# Altium PCB rt10.PcbDoc (part 1 of 4)
Units mil, origin at the board's own origin, x right, y up, seen from the top; angles counter-clockwise.
Board outline 1400 x 1750 mil, 8 copper layers (Top, L2, L3, L4, L5, L6, L7, Bottom), stack 46.516 mil thick; 250 components, 225 nets, 1025 pads, 574 vias.
Unrouted connection lines stored in the file: 9.
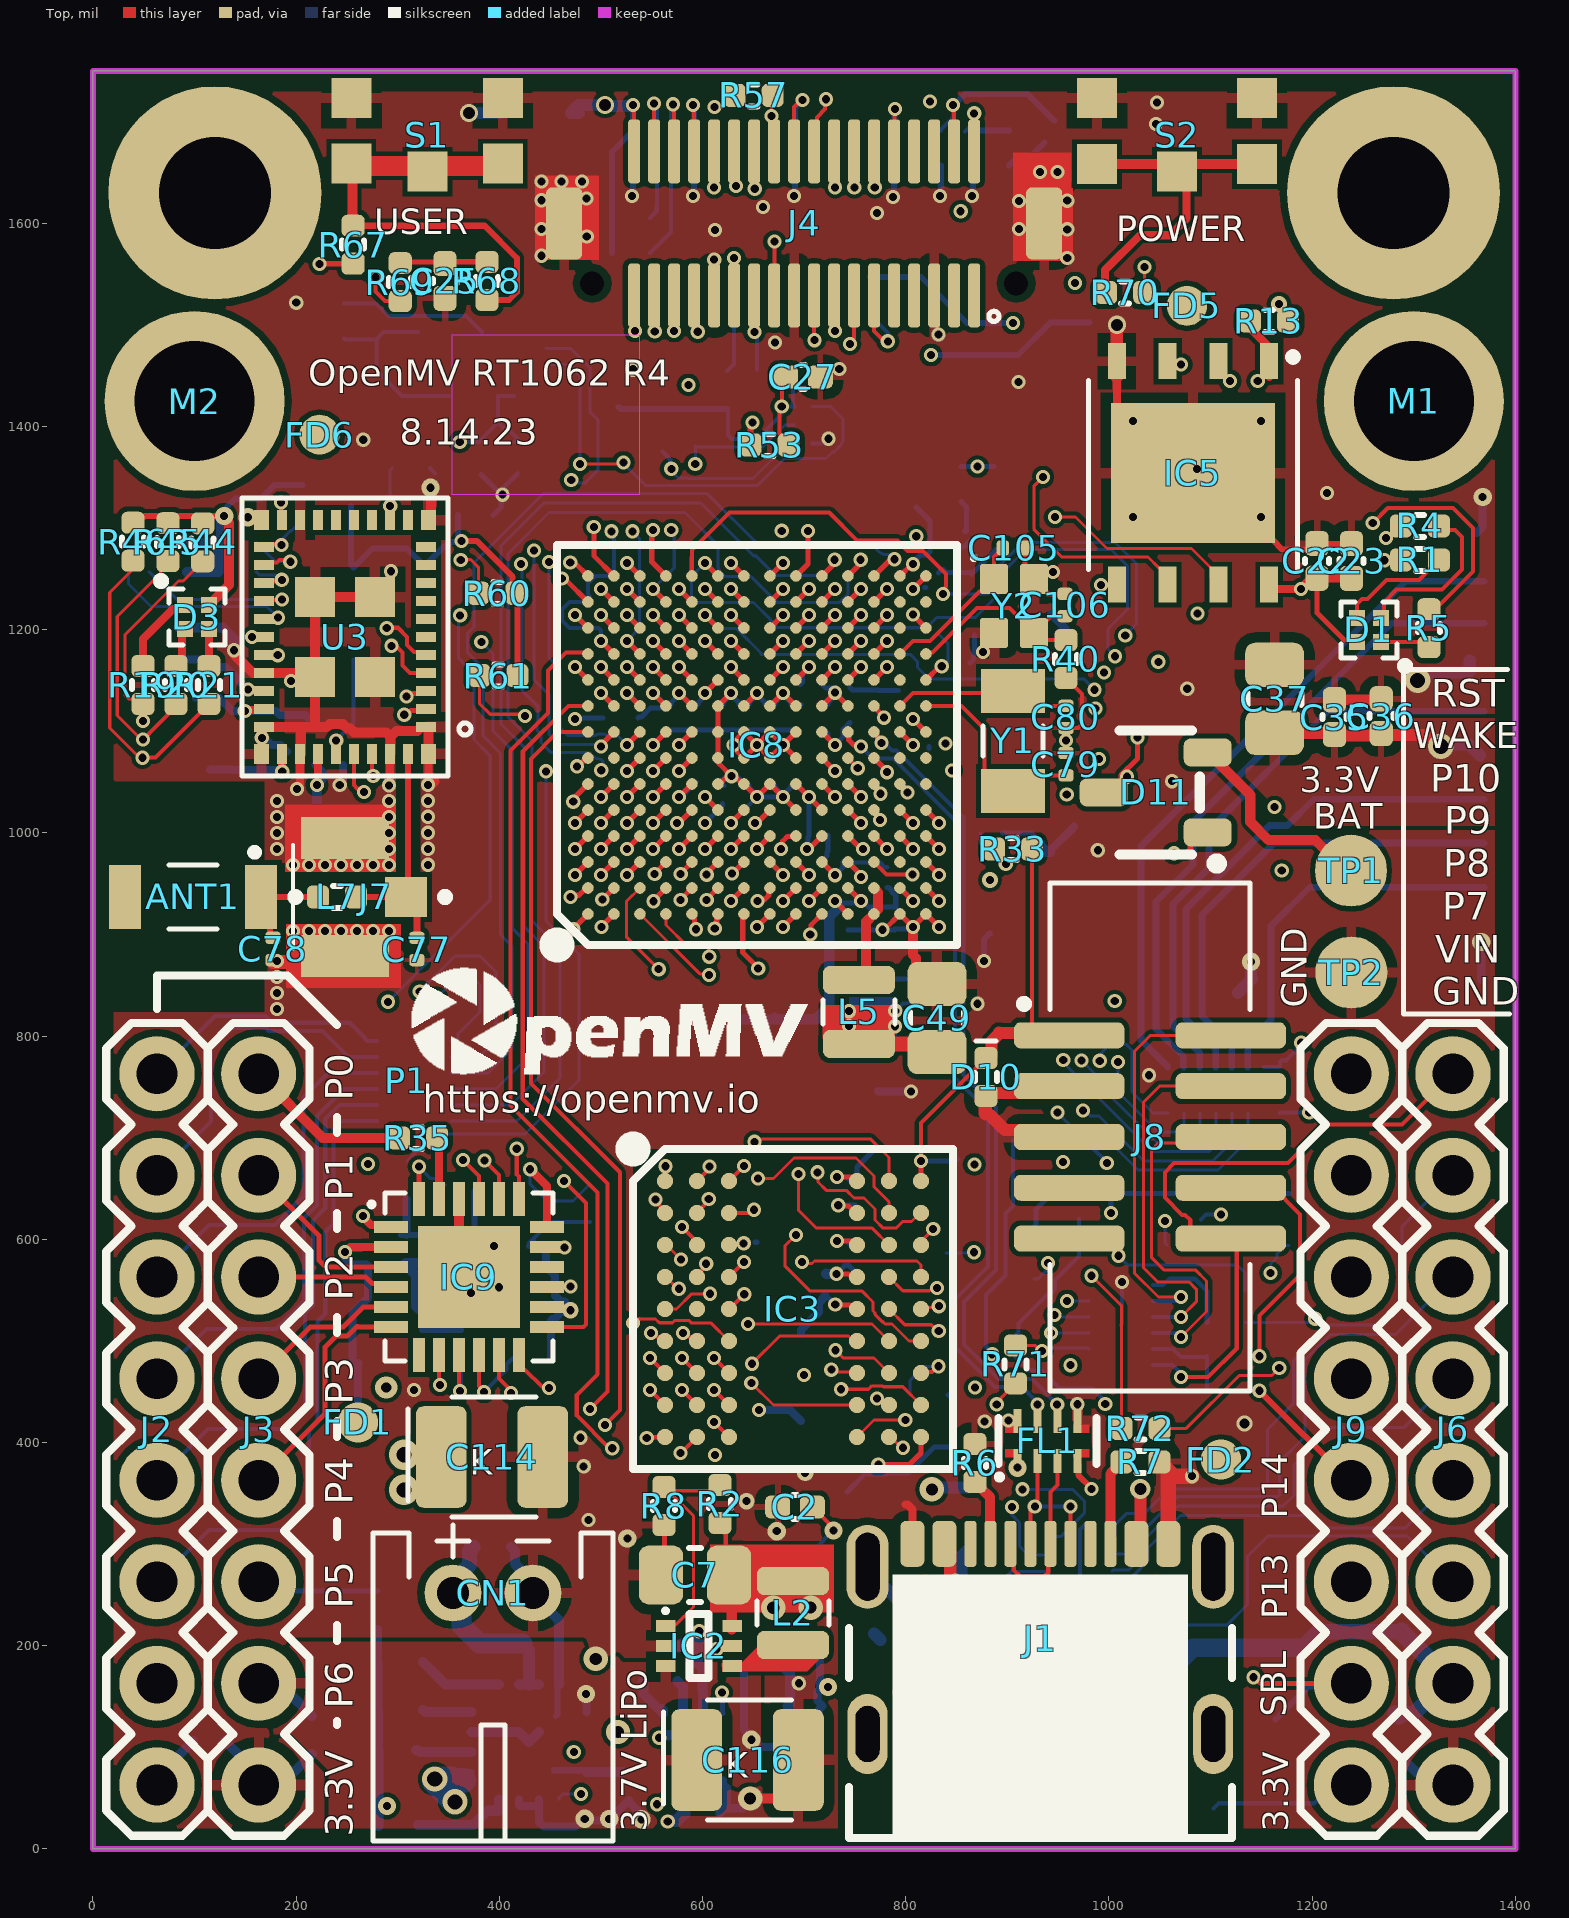
[diagram p0: Top view]
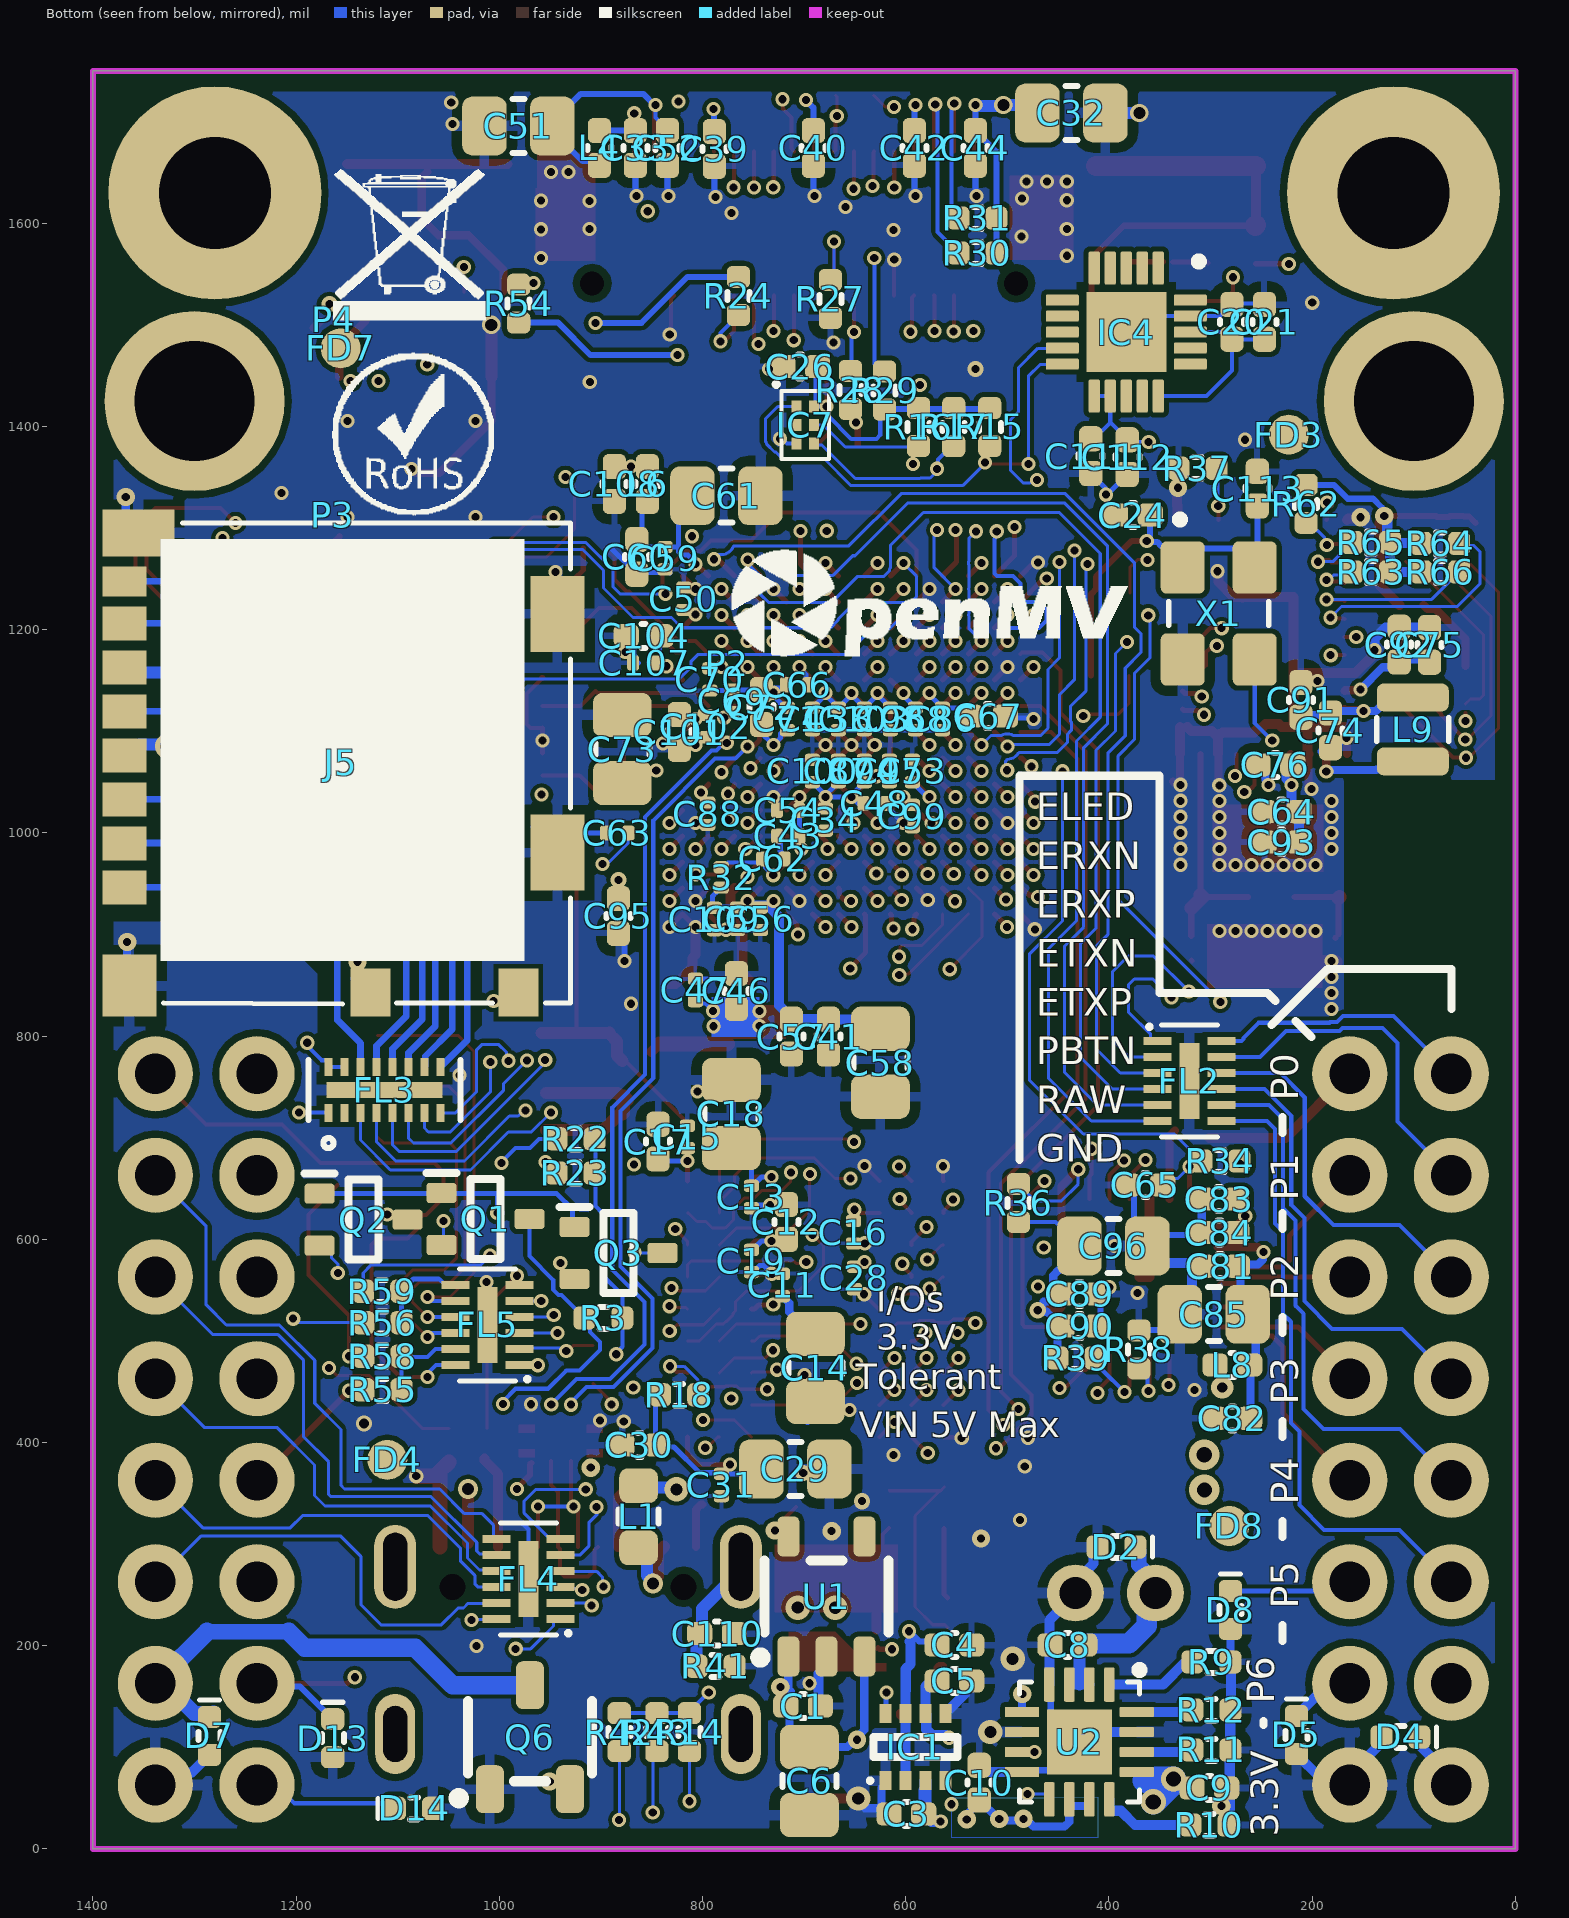
[diagram p1: Bottom view, seen from below]
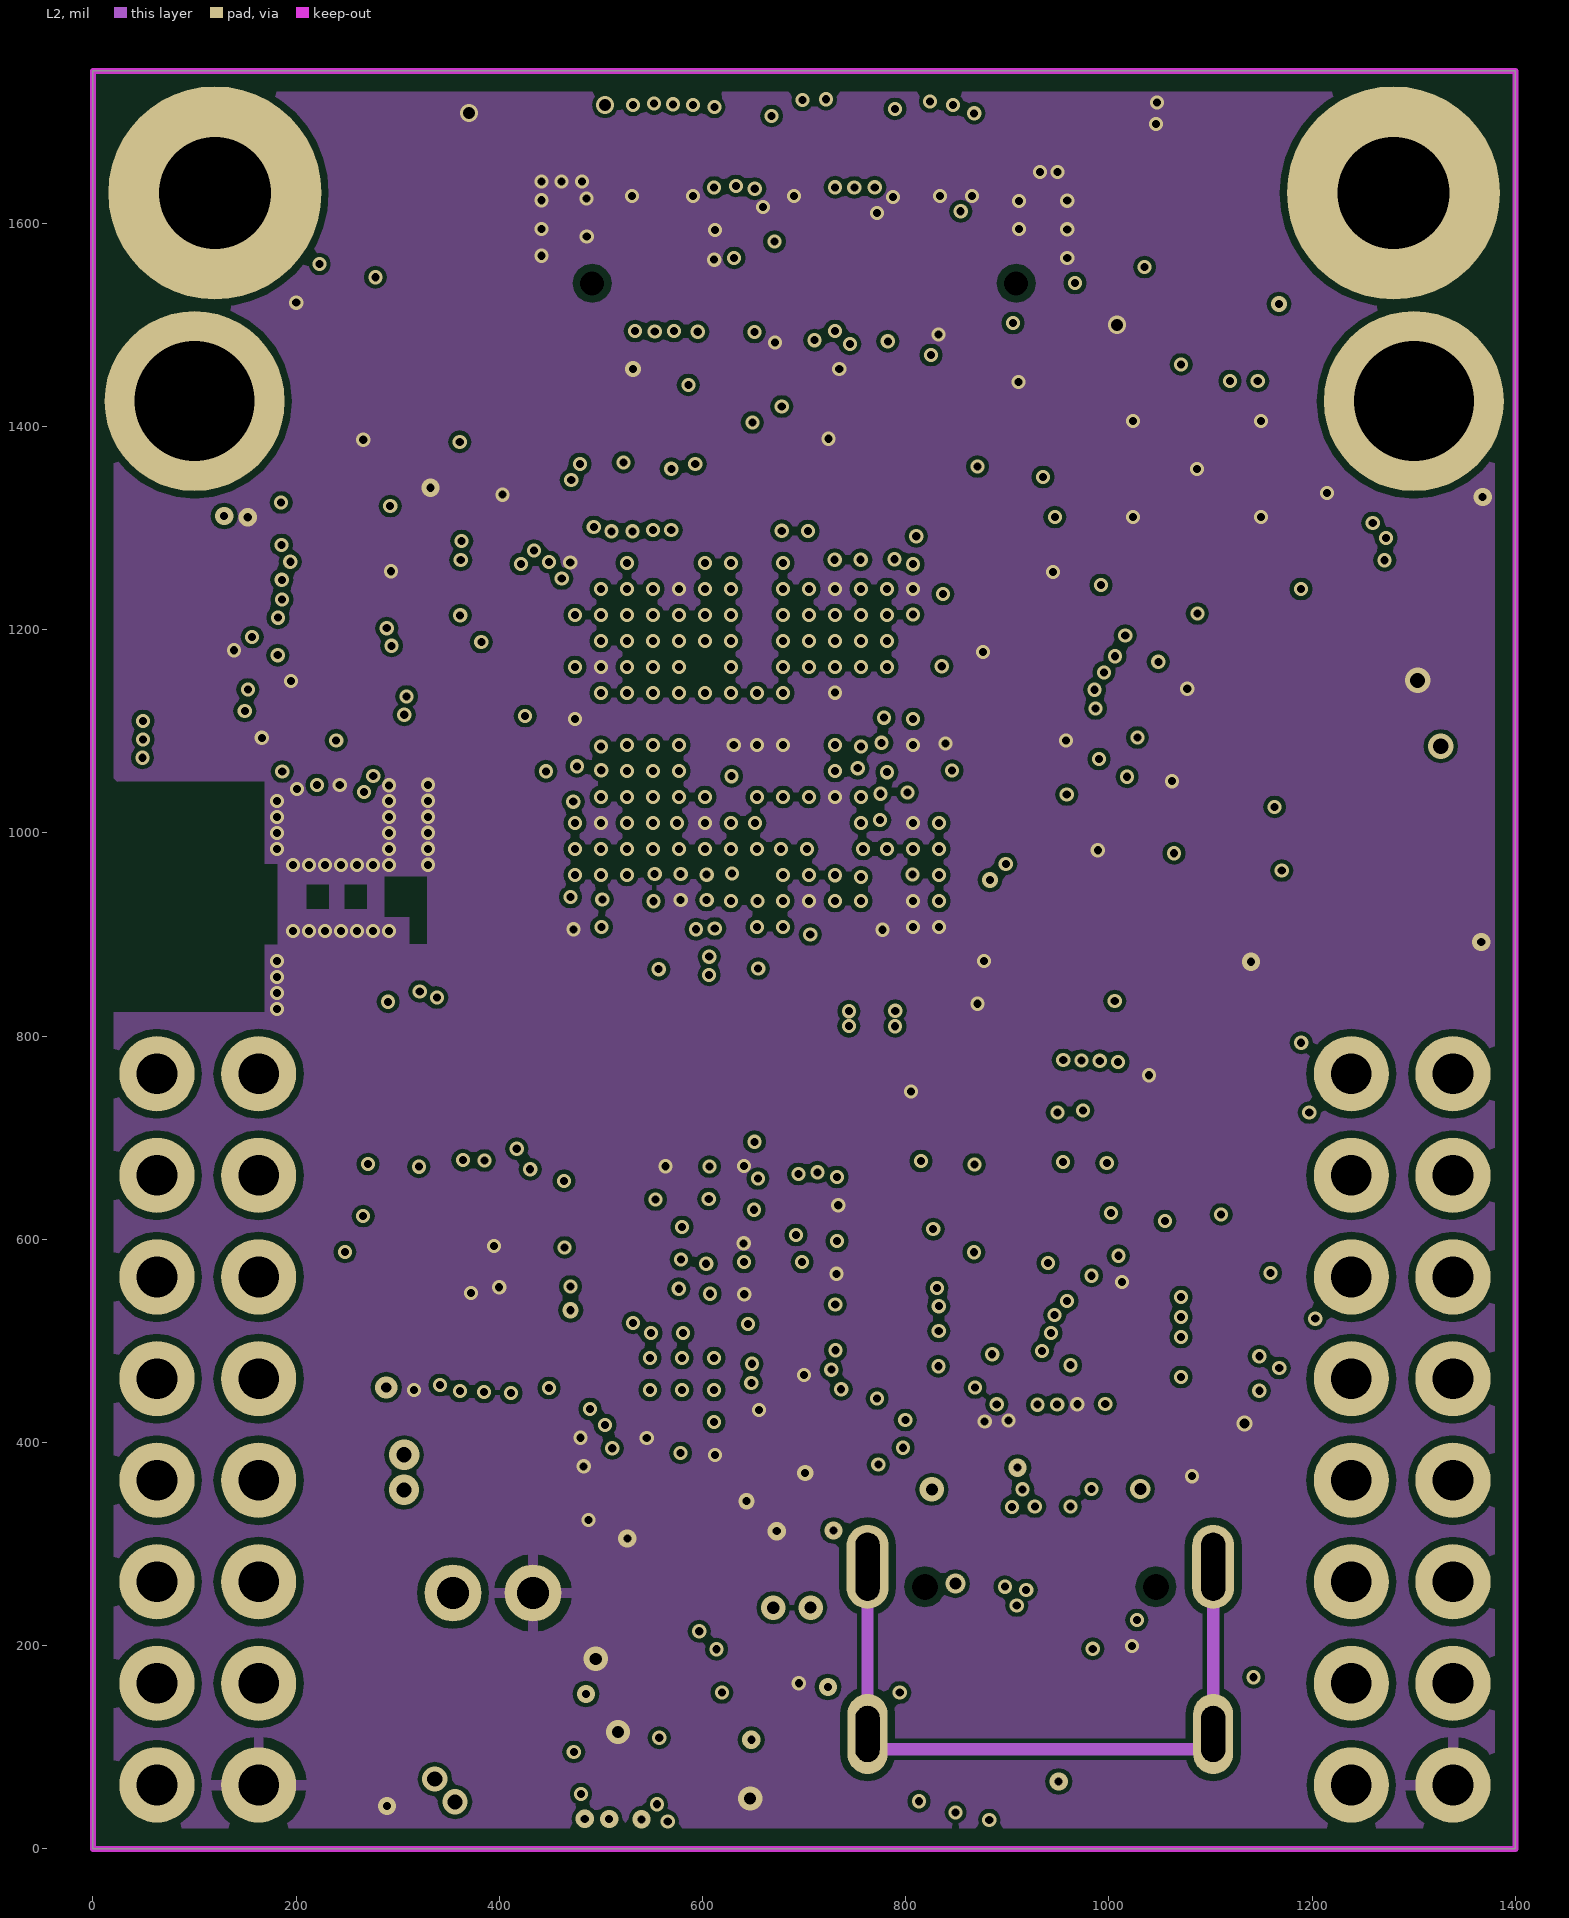
[diagram p2: L2]
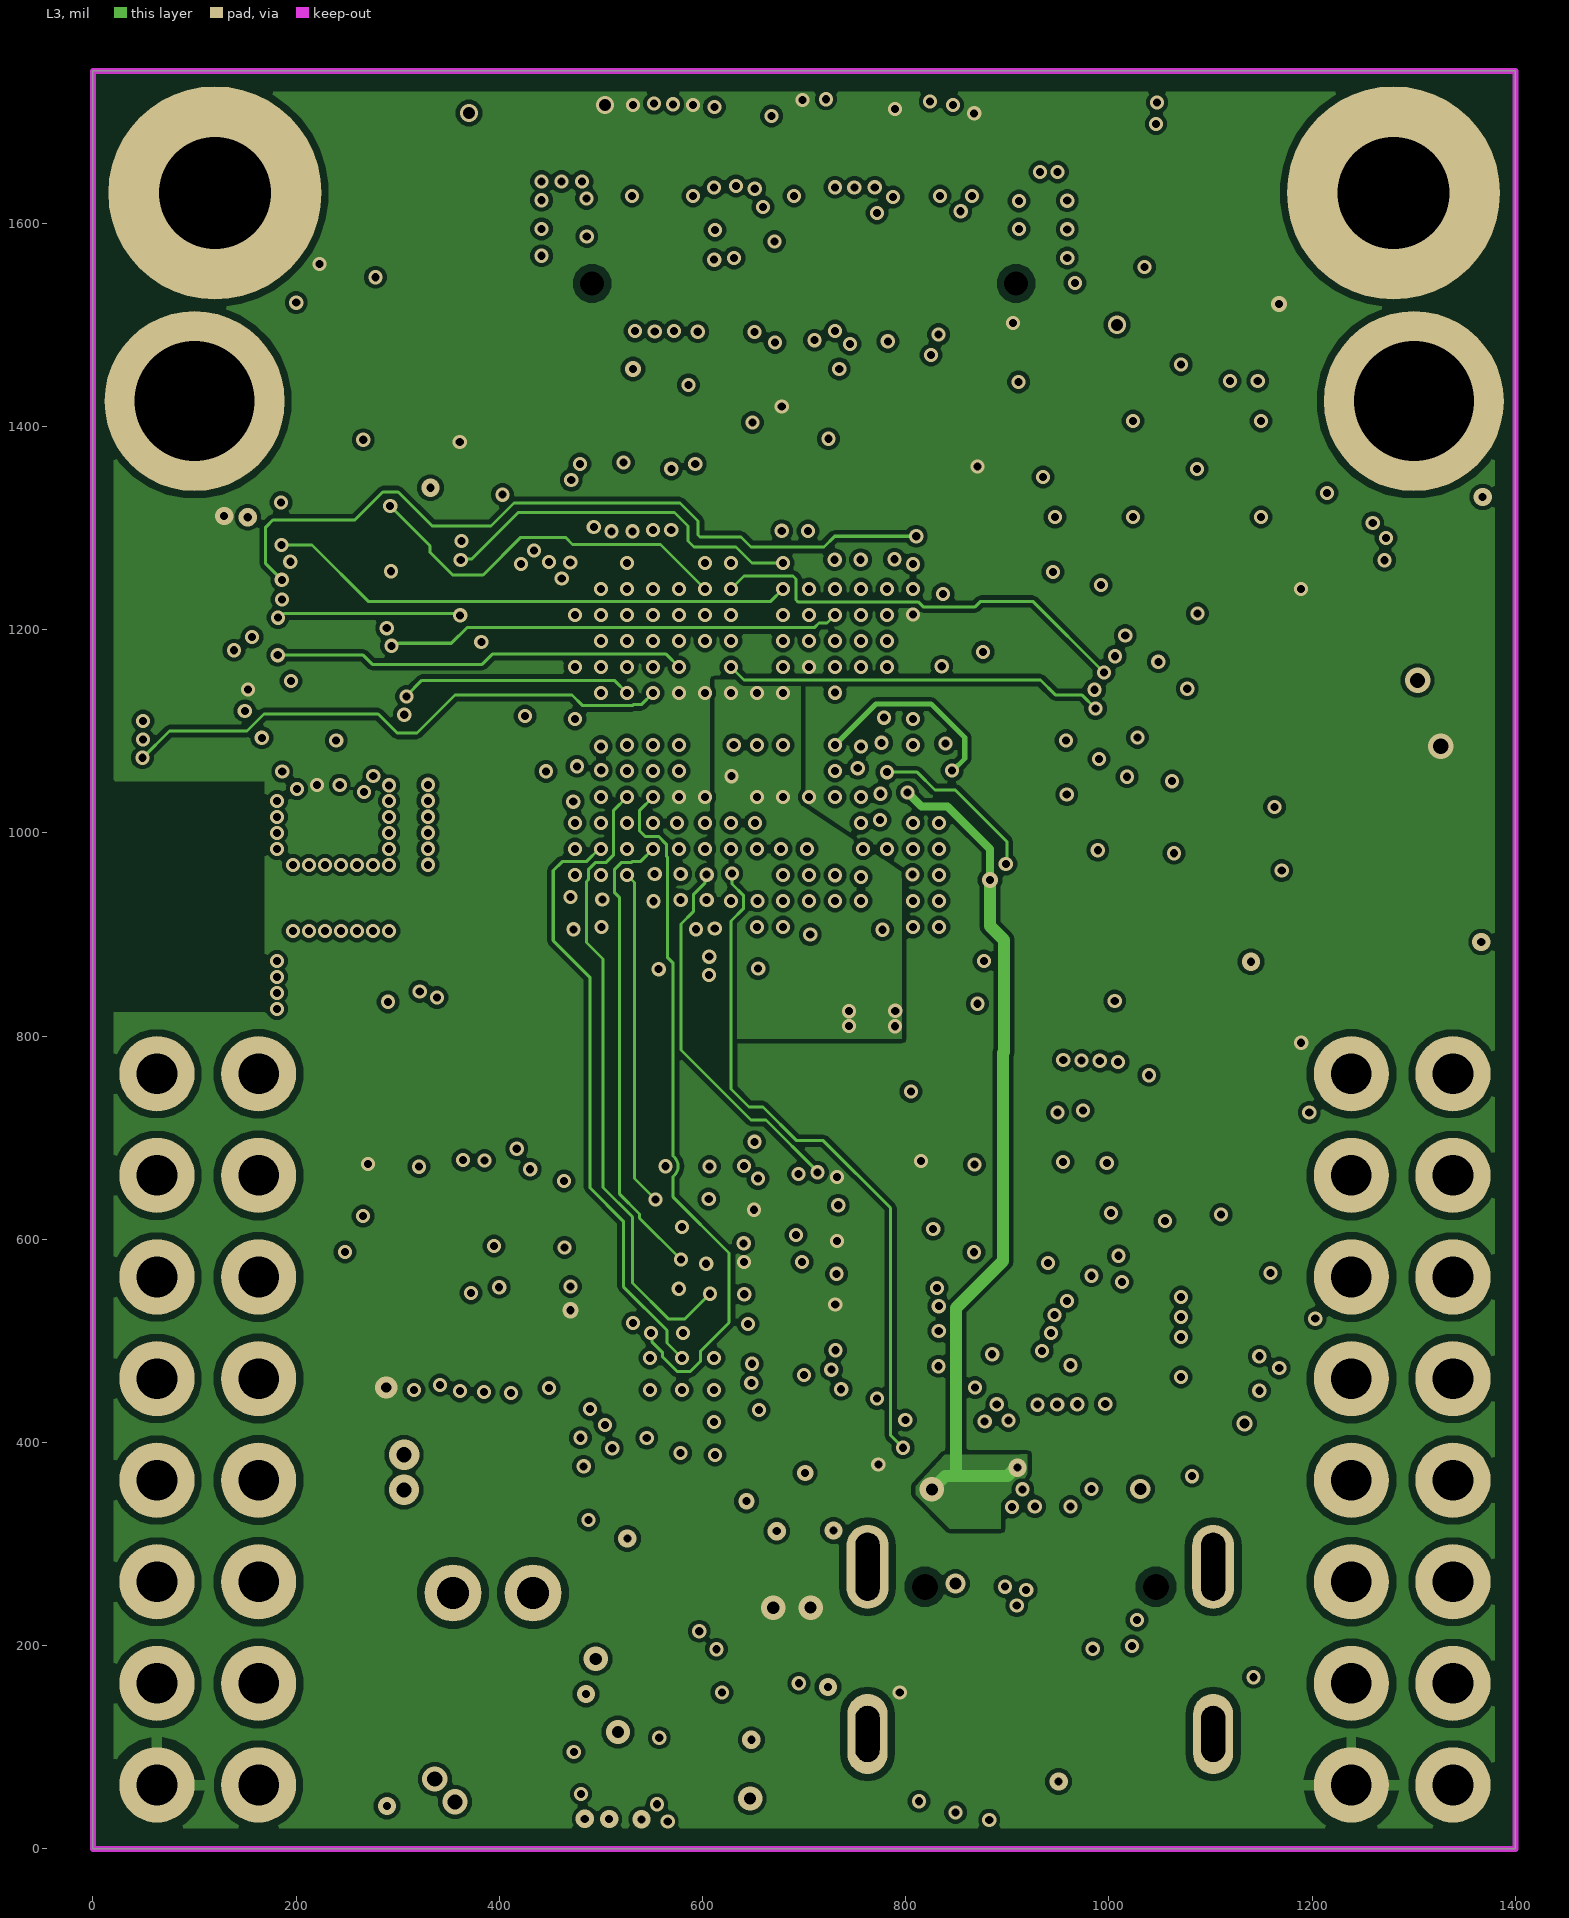
[diagram p3: L3]
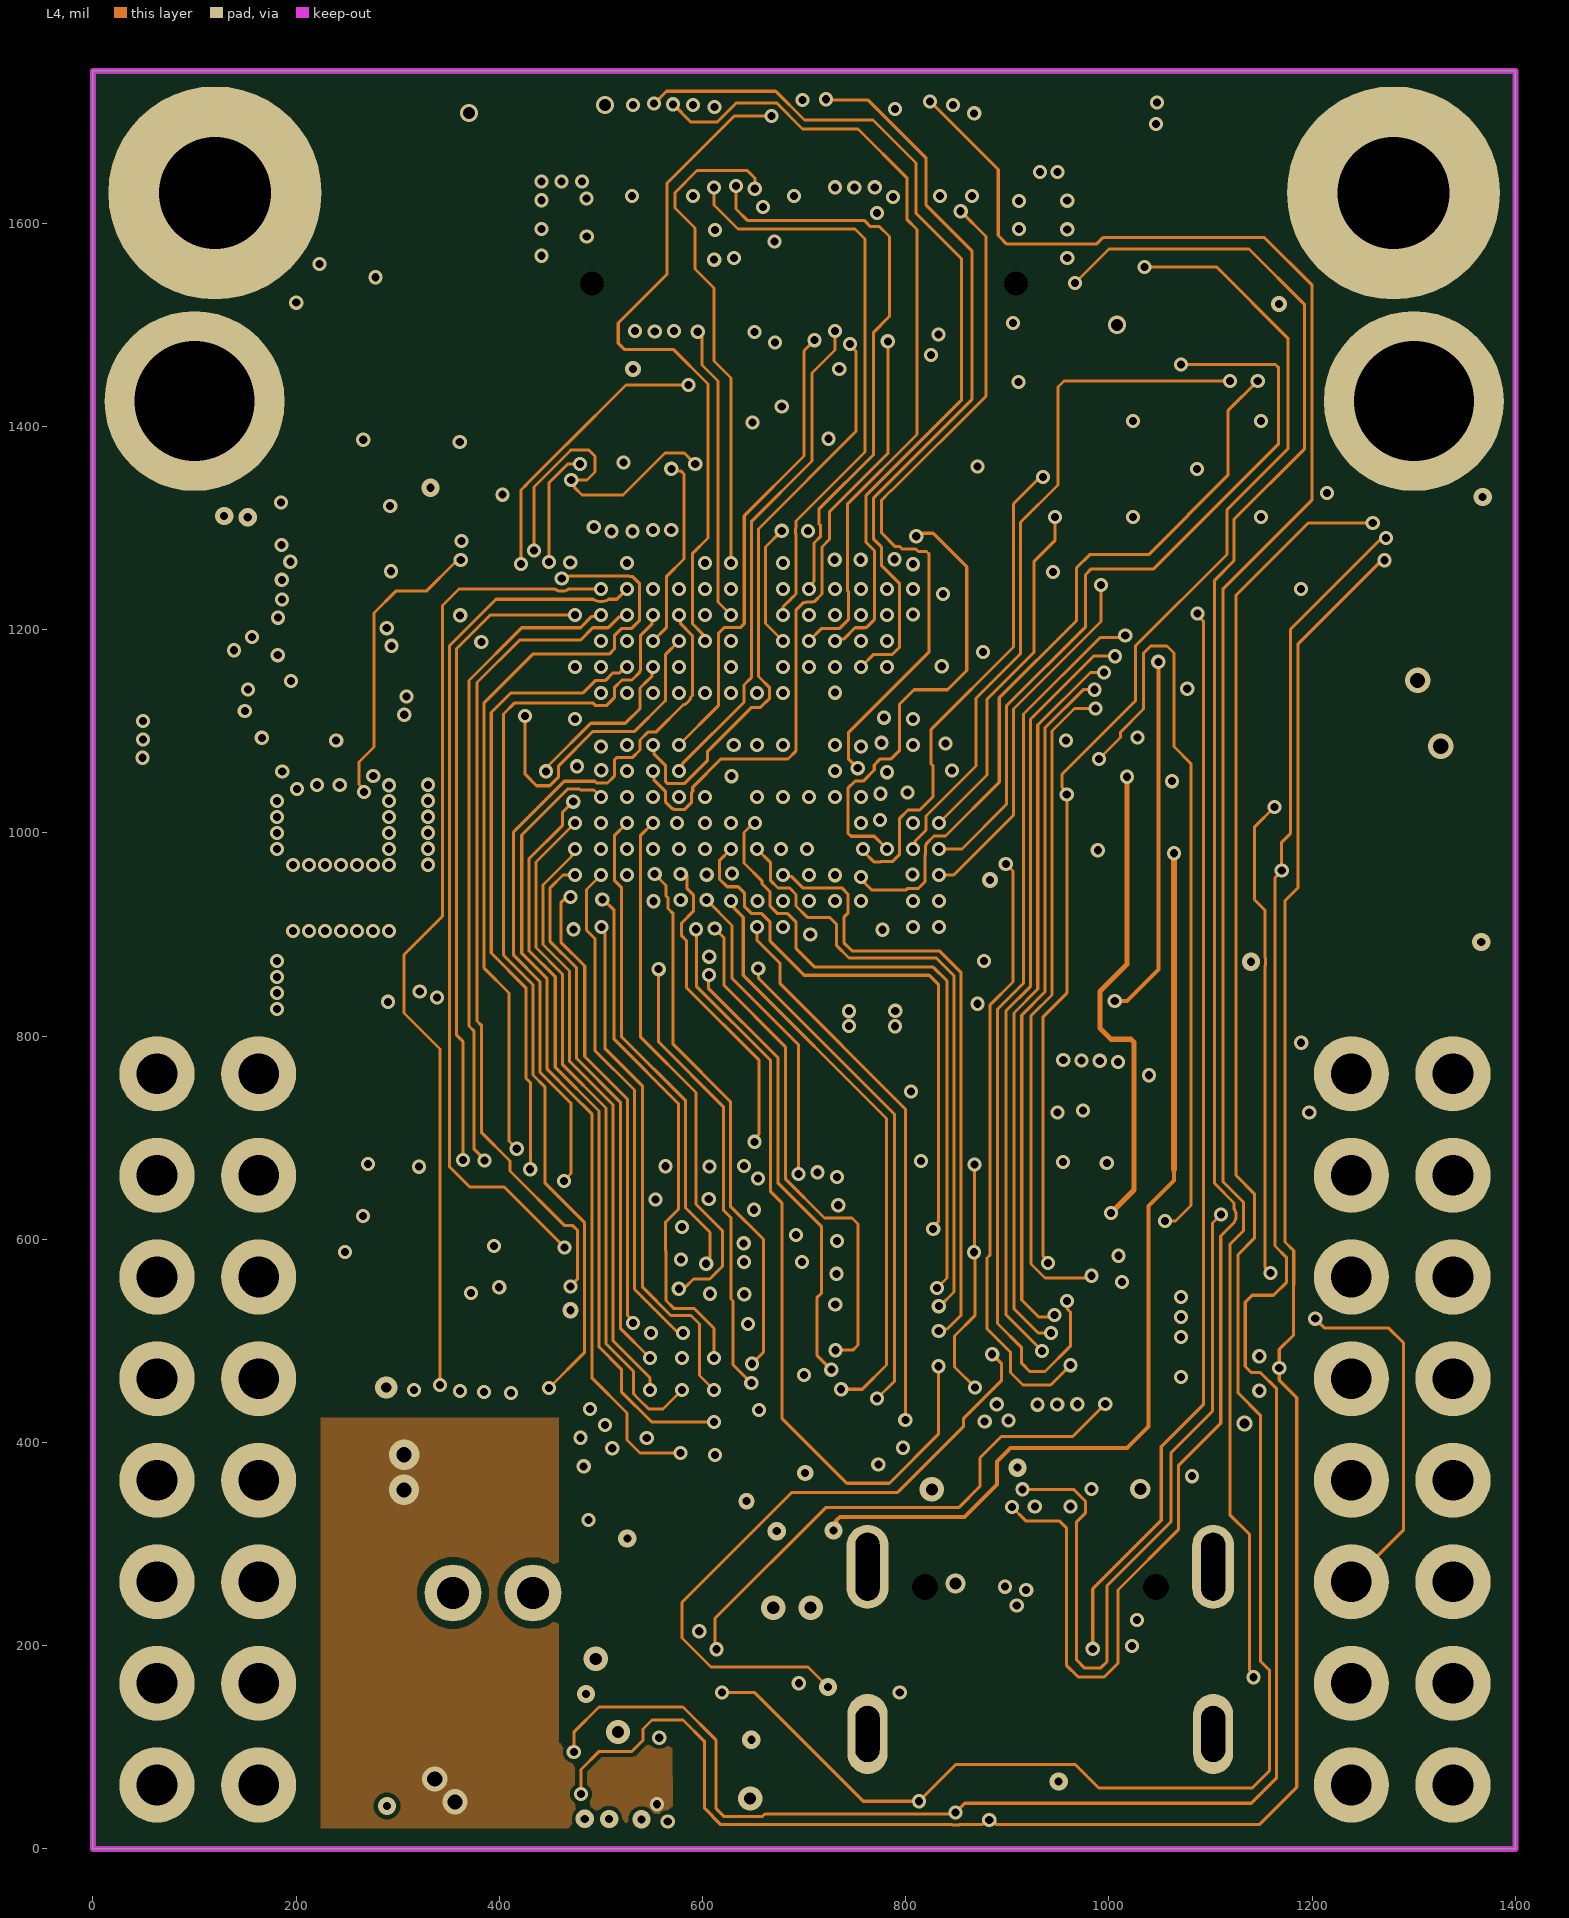
[diagram p4: L4]